# Altium PCB uTCA_MCH_PCB3.pcbdoc (part 5 of 25) (continued)
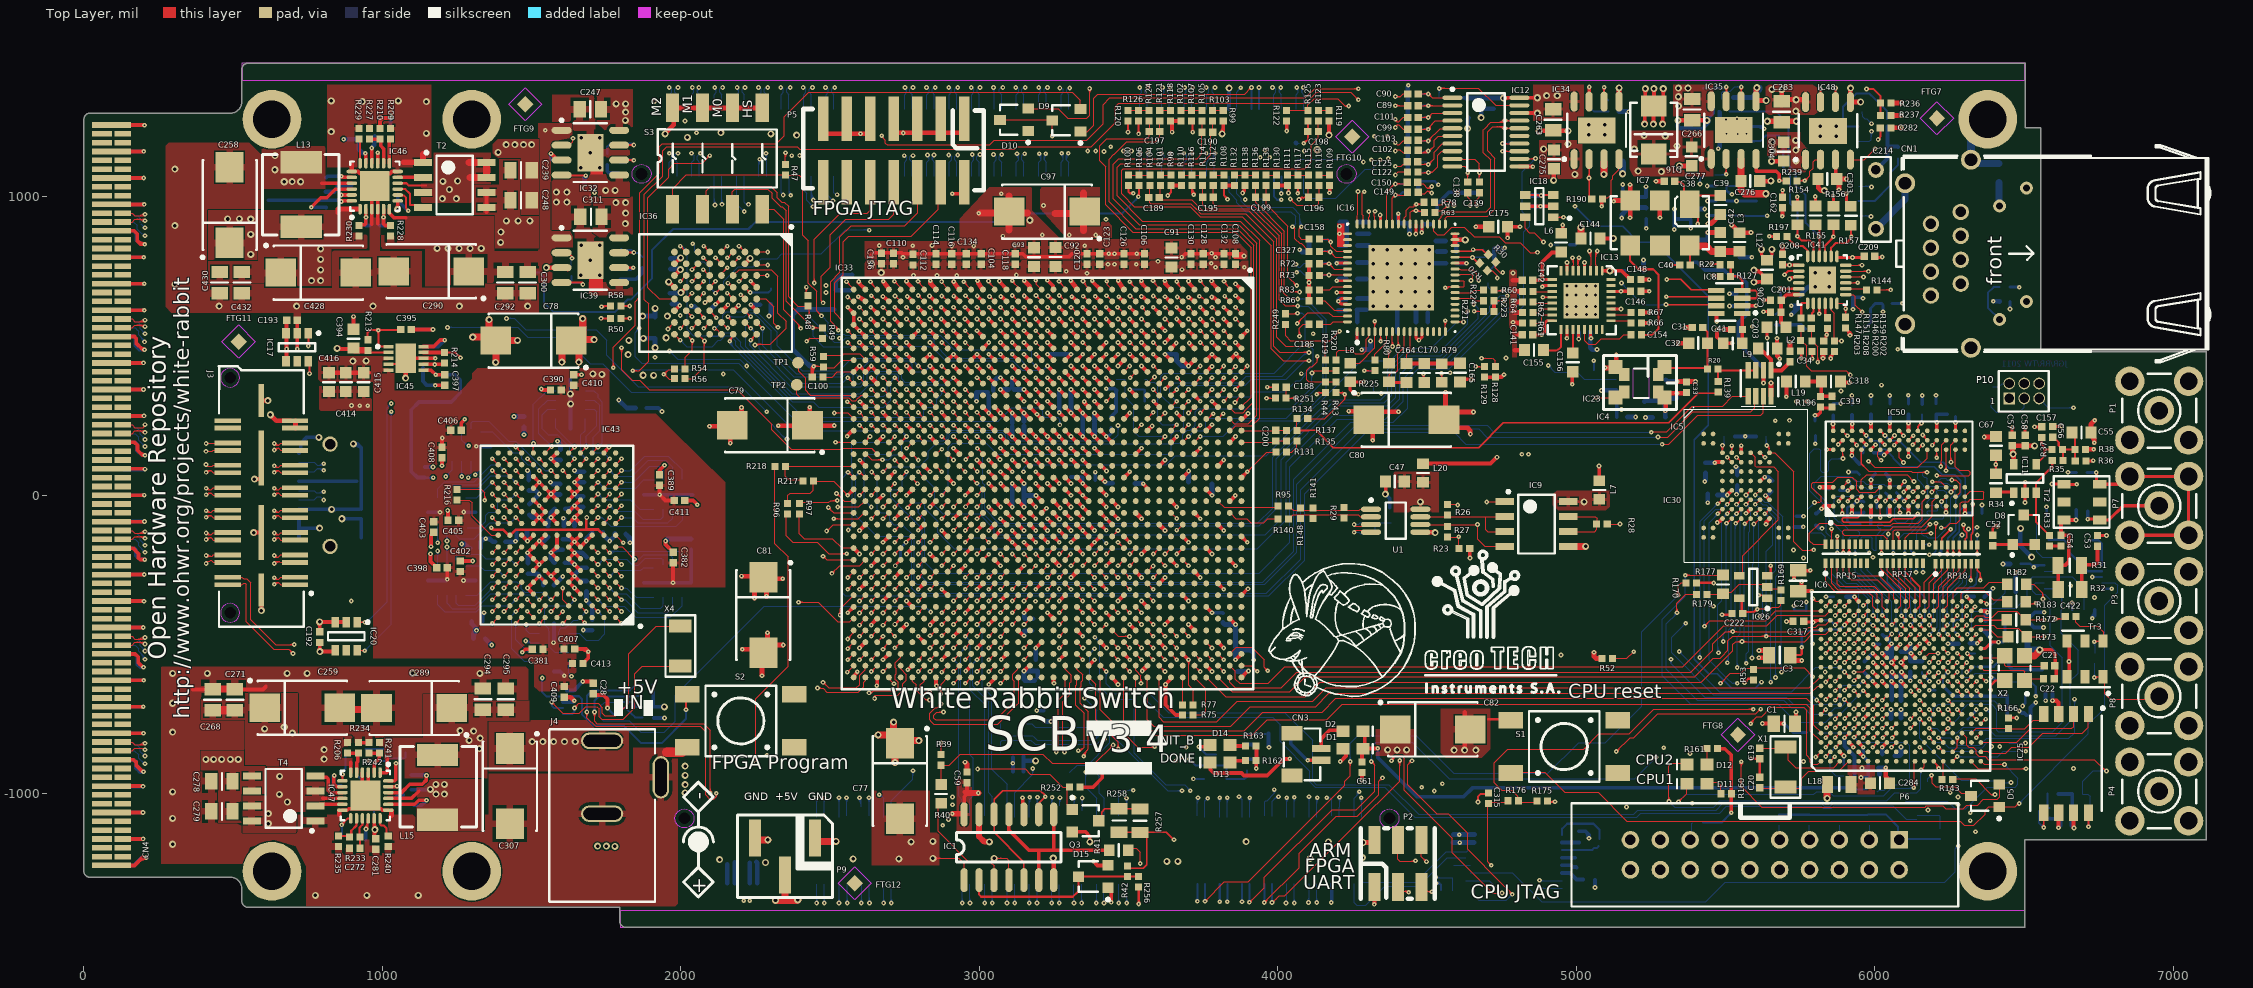
[diagram p0: Top Layer view]
## Nets (pads, with @x,y where several pads share a name; then routed paths per layer and width w, separated by ;. In a path a pad name is that pad's centre, name@x,y a point inside that pad or via, vN(x,y) a via of type N, cw(c..) or ccw(c..) an arc to the next point about the centre after c; other vN are vias at no path point) (continued)
A20: IC33.AF10 IC36.C8 | length 1087.1
  Top Layer w3.94: v1@2161.42,521.65 2175.2,535.43 ccw(c2190.36,520.26) v1@2169.21,516.72 ; v1@2161.44,515.42 cw(c2171.84,517.16) 2164.38,524.62 ; v1@2165.32,516.07 cw(c2181.1,518.71) IC36.C8@2169.79,530.03 ; v1@2874.02,348.43 cw(c2874.02,334.17) 2884.1,344.25 cw(c2894.18,354.33) v1@2879.92,354.33 ; v1(2874.02,354.33) IC33.AF10@2893.7,334.65
  Bottom Layer w3.94: v1@2161.41,515.75 ccw(c2175.66,515.75) 2165.59,505.67 ; v1@2161.95,510.02 cw(c2161.01,506.26) 2164.88,506.26 cw(c2171.4,506.26) v1@2167.19,511.24 ; v1@2164.88,516.26 2164.88,506.38 2224.57,446.69 ; v1@2165.35,515.75 ccw(c2189.1,515.75) 2172.31,498.95 ; v1@2169.29,515.75 ccw(c2202.54,515.75) 2179.03,492.23 ; 2226.22,446.69 2234.29,438.62 ; 2234.29,436.97 2409.45,261.81 2807.09,261.81 2812.99,267.72 2812.99,283.86 2824.41,295.28 2843.7,295.28 2857.1,308.68 2857.1,321.67 2874.01,338.58 v1(2874.02,354.33) ; v1@2869.84,350.15 cw(c2859.76,340.08) 2874.01,340.08 ; 2874.01,340.07 cw(c2888.28,340.07) v1@2878.19,350.15
  other v1: 2163.38,515.75
A21: IC33.AF9 IC36.A8 | length 913.5
  Top Layer w3.94: v1@2234.25,525.59 ccw(c2234.25,535.09) 2240.97,528.37 ; v1@2236.22,519.68 cw(c2245.73,519.68) 2239,526.41 ; v1@2236.22,523.62 IC36.A8@2253.94,541.34 ; v1@2240.16,519.68 cw(c2259.17,519.68) IC36.A8@2245.73,533.13
  Top Layer w12.6: v1(2874.02,393.7) IC33.AF9@2893.7,374.02
  Bottom Layer w3.94: 2230.39,501.44 cw(c2246.42,501.44) v1@2237.53,514.77 ; 2230.39,508.8 cw(c2241.51,508.8) v1@2235.34,518.05 ; v1@2232.28,519.68 2230.39,517.8 2230.39,501.85 2368.07,364.17 2602.36,364.17 2623.62,385.43 2623.62,403.15 2635.83,415.35 2731.89,415.35 2739.76,407.48 2739.76,389.76 2750.79,378.74 2858.66,378.74 v1@2873.23,393.31 ; 2863.26,383.34 cw(c2874.02,372.59) v1@2874.02,387.8 ; 2864.21,384.29 ccw(c2854.8,393.7) v1@2868.11,393.7
  other v1: 2234.25,519.68
A22: IC33.AL9 IC36.G1 | length 1346.8
  Top Layer w3.94: v1@1998.03,828.74 cw(c1998.03,814.49) 2008.11,824.57 cw(c2018.2,834.65) v1@2003.94,834.65 ; v1(1998.03,834.65) IC36.G1@2017.72,814.96 ; v1@2677.17,387.8 cw(c2677.17,373.54) 2687.25,383.62 cw(c2697.33,393.7) v1@2683.07,393.7 ; v1(2677.17,393.7) IC33.AL9@2696.85,374.02
  Bottom Layer w3.94: v1@1998.03,828.74 cw(c1998.03,797.47) 2020.14,819.58 ; v1@1998.03,832.68 cw(c1998.03,810.91) 2013.42,826.3 ; v1(1998.03,834.65) 2005.08,834.65 2020.59,819.13 2020.59,555.35 2042.2,533.74 2124.13,533.74 2133.39,542.99 ; v1@1998.03,836.61 cw(c1998.03,824.35) 2006.7,833.02 ; 2098.43,533.46 2124.02,533.46 2135.02,544.47 2168.6,544.47 2200.79,512.28 2200.79,499.16 2368.25,331.69 2680.12,331.69 2690.94,342.52 2690.94,379.92 v1(2677.17,393.7) ; v1@2677.17,387.8 cw(c2677.17,373.54) 2687.25,383.62 cw(c2697.33,393.7) v1@2683.07,393.7
A23: IC33.AK9 IC36.H8 | length 1072.4
  Top Layer w3.94: IC36.H8@1978.35,539.37 v1(1998.03,519.68) ; v1@1992.13,519.68 ccw(c1977.87,519.68) 1987.95,529.77 ccw(c1998.03,539.85) v1@1998.03,525.59 ; v1@2716.54,387.8 cw(c2716.54,373.54) 2726.62,383.62 cw(c2736.7,393.7) v1@2722.44,393.7 ; v1(2716.54,393.7) IC33.AK9@2736.22,374.02
  Bottom Layer w3.94: v1@1998.03,513.78 cw(c1998.03,499.52) 2008.11,509.6 cw(c2018.19,519.68) v1@2003.94,519.68 ; v1(1998.03,519.68) 2019.68,498.03 2104.33,498.03 2125.46,519.16 2133.86,519.16 2149.32,534.63 2164.52,534.63 2183.07,516.07 2183.07,502.96 2372.96,313.07 2442.92,313.07 2461.21,294.78 2679.95,294.78 2702.76,317.59 2702.76,379.92 v1(2716.54,393.7) ; v1@2710.63,393.7 cw(c2696.37,393.7) 2706.45,383.62 cw(c2716.54,373.54) v1@2716.54,387.8
A24: IC33.AE9 IC36.B6 | length 1067
  Top Layer w3.94: IC36.B6@2214.57,618.11 v1(2234.25,598.43) ; v1@2228.35,598.43 ccw(c2214.09,598.43) 2224.17,608.51 ccw(c2234.25,618.59) v1@2234.25,604.33
  Top Layer w12.6: v1(2913.39,393.7) IC33.AE9@2933.07,374.02
  Bottom Layer w3.94: v1@2228.35,598.43 cw(c2214.09,598.43) 2224.17,588.34 cw(c2234.25,578.26) v1@2234.25,592.52 ; v1(2234.25,598.43) 2216.54,580.71 2216.54,497.33 2373.32,340.55 2601.05,340.55 2630.57,370.08 2645.67,370.08 2655.51,379.92 2655.51,398.82 2664.17,407.48 2722.24,407.48 2730.31,399.41 2730.31,382.28 2742.91,369.68 2889.37,369.68 v1@2912.99,393.31 ; v1@2907.48,393.7 cw(c2893.22,393.7) 2903.3,383.62 cw(c2913.39,373.54) v1@2913.39,387.8
AGND: C88.2 IC33.T17 IC33.U17 IC33.U18 IC33.V17 IC33.V18 L4.2 | length 133.7
  Top Layer w12.6: v1(3188.94,78.78) IC33.V17@3208.66,59.06 ; v1(3188.98,39.37) IC33.V18@3208.66,19.69 ; v1(3228.35,39.37) IC33.U18@3244.09,23.62 ; IC33.U17@3248.03,59.06 v1(3267.72,39.37) ; IC33.T17@3287.4,59.06 v1(3307.09,39.37)
ARM_BOOT_SEL_GPIO: IC6.A6 P10.3 R4.1 | length 1963.5
  Top Layer w3.94: IC6.A6@5819.61,-733.72 v1(5835.56,-717.76) v1@5835.56,-717.05 ; v1@5829.65,-717.76 cw(c5815.4,-717.76) 5825.48,-727.84 cw(c5835.56,-737.93) v1@5835.56,-723.67
  MidLayer1 w3.94: v1@5835.56,-723.67 cw(c5835.56,-737.93) 5845.64,-727.84 cw(c5855.72,-717.76) v1@5841.47,-717.76 ; v1(5835.56,-717.76) 5850.33,-732.53 6029.4,-732.53 6040.38,-721.55 6040.38,-689.44 6103.61,-626.21 6103.61,-615.23 6111.68,-607.16 6283.14,-607.16 6292,-616.02 6292,-632.72 6297.62,-638.34 6408.71,-638.34 6505.02,-542.03 6505.02,-159.72 6523.04,-141.7 6523.04,137.19 6484.06,176.17 6484.06,262.05 6500.87,278.86 6500.87,313.6 P10.3@6492.52,321.95
  Bottom Layer w3.94: R4.1@6389.59,328.37 6389.59,295.02 6406.87,277.74 6482.85,277.74 6500.54,295.43 P10.3@6500.54,318.75
ARM_DEBUG_RXD: IC6.P6 J1.96 P2.5 | length 6633.7
  Top Layer w3.94: P2.5@4480.77,-1327.2 4512.18,-1327.2 v1@4512.75,-1327.77 ; P2.5@4499.46,-1327.2 cw(c4499.46,-1345.65) v1@4512.5,-1332.61 ; 4505.38,-1327.2 ccw(c4505.38,-1317.13) v1@4512.5,-1324.25 ; v1@6213.29,-723.87 cw(c6213.29,-738.16) 6223.39,-728.06 ; v1(6213.29,-717.97) IC6.P6@6229.06,-733.72 ; v1@6219.2,-717.97 ccw(c6233.43,-717.97) 6223.37,-728.03
  MidLayer1 w3.94: v1@4549.21,-964.57 v1(4551.18,-966.54) 4562.2,-977.56 6020.44,-977.56 6130.43,-867.57 6156.22,-867.57 6199.53,-824.27 6199.53,-731.73 v1(6213.29,-717.97) ; v1@4551.18,-972.44 cw(c4551.18,-986.7) 4561.26,-976.62 cw(c4571.34,-966.54) v1@4557.09,-966.54 ; v1@6207.39,-717.97 cw(c6193.13,-717.97) 6203.21,-728.05 cw(c6213.29,-738.13) v1@6213.29,-723.87
  MidLayer2 w3.94: v1(5727.36,-183.27) 5727.36,302.26 v1@5735.92,310.82
  MidLayer3 w3.94: v1@4342.76,1118.46 cw(c4342.76,1101.55) 4354.72,1113.51 ; v1@4343.86,1124.37 4357.16,1111.07 4378.85,1111.07 4393.28,1125.5 4504.78,1125.5 4577.47,1198.19 4919.39,1198.19 4992.21,1125.37 5495.02,1125.37 5541.19,1079.2 5773.39,1079.2 5780.29,1072.3 5780.29,1038.08 5762.99,1020.78 5762.99,775.12 5737.57,749.7 5737.57,314.45 v1(5737.74,314.28) ; v1@4348.67,1124.37 ccw(c4360.27,1124.37) 4352.06,1116.17 ; 4508.74,-1323.52 ccw(c4521.59,-1323.52) v1@4512.5,-1332.61 ; 4508.74,-1314.01 ccw(c4531.1,-1314.01) v1@4515.29,-1329.82 ; 4508.74,-1304.51 ccw(c4540.6,-1304.51) v1@4518.07,-1327.04 ; 4508.74,-1295 ccw(c4550.11,-1295) v1@4520.86,-1324.25 ; v1@4511.52,-1327.6 4508.74,-1324.82 4508.74,-1254.81 4551.18,-1212.37 v1(4551.18,-966.54) ; v1@4547.01,-970.71 cw(c4536.92,-980.79) 4551.18,-980.79 cw(c4565.44,-980.79) v1@4555.36,-970.71 ; v1@5727.2,-184.09 5727.2,-238.32 5796.32,-307.44 5936.19,-307.44 6008.37,-379.62 6176.72,-379.62 6198.4,-401.3 6198.4,-703.07 v1(6213.29,-717.97) ; v1@6207.39,-717.97 ccw(c6193.13,-717.97) 6203.21,-707.89 ccw(c6213.29,-697.8) v1@6213.29,-712.06
  Bottom Layer w3.94: J1.96@4086.54,1068.31 4086.54,1011.56 4102.98,995.12 4194.3,995.12 4292.16,1092.98 4314.32,1092.98 v1@4344.97,1123.63 ; 4330.59,1109.25 ccw(c4315.48,1124.37) v1@4336.85,1124.37 ; 4337.31,1115.97 ccw(c4328.92,1124.37) v1@4340.79,1124.37 ; 4337.71,1116.37 cw(c4342.76,1111.33) v1@4342.76,1118.46
  other v1: 4516.68,-1328.43 4342.76,1124.37
ARM_DEBUG_TXD: IC6.R6 J1.94 P2.3 | length 6758
  Top Layer w3.94: P2.3@4402.03,-1327.2 4432.44,-1327.2 v1@4432.9,-1326.74 ; P2.3@4417.75,-1327.2 cw(c4417.75,-1350.19) v1@4434,-1333.94 ; 4427.26,-1327.2 cw(c4427.26,-1340.68) v1@4436.79,-1331.15 ; 4430.09,-1327.2 ccw(c4430.09,-1321.67) v1@4434,-1325.58 ; v1@6244.8,-723.87 cw(c6244.8,-738.13) 6254.88,-728.05 cw(c6264.97,-717.97) v1@6250.71,-717.97 ; v1(6244.8,-717.97) IC6.R6@6260.55,-733.72
  MidLayer1 w3.94: v1@4524.29,-991.46 6023.54,-991.46 6129,-886 6204.72,-886 6229.06,-861.67 6229.06,-733.72 v1(6244.8,-717.97) ; v1@4527.68,-995.29 cw(c4536.92,-1004.53) 4536.92,-991.46 ; v1@4527.68,-986.93 ccw(c4538.59,-976.02) 4538.59,-991.46 ; v1@6238.9,-717.97 cw(c6224.64,-717.97) 6234.72,-728.05 cw(c6244.8,-738.13) v1@6244.8,-723.87
  MidLayer4 w3.94: v1(5760.71,-210.49) 5760.71,-163.19 5780.77,-143.13 5780.77,-32.56 5771.56,-23.35 5771.56,312.55 v1@5772.02,313.01
  MidLayer3 w3.94: v1(4286.45,1116.24) 4312.59,1142.38 4379.04,1142.38 4384.28,1137.14 4413.23,1137.14 4482.67,1206.58 4517.44,1206.58 4616.86,1306 4979.16,1306 4979.2,1305.96 5094.26,1305.96 5257.2,1143.02 5560.19,1143.02 5606.58,1096.63 5775.65,1096.63 5794.89,1077.39 5794.89,1026.95 5780.67,1012.73 5780.67,760.05 5772.18,751.56 5772.18,315.04 v1(5771.42,314.28) ; v1@4286.45,1122.15 ccw(c4286.45,1136.4) 4296.53,1126.32 ccw(c4306.61,1116.24) v1@4292.36,1116.24 ; 4432.44,-1320.65 ccw(c4447.29,-1320.65) v1@4436.79,-1331.15 ; 4432.44,-1311.14 ccw(c4456.8,-1311.14) v1@4439.57,-1328.37 ; 4432.44,-1301.64 ccw(c4466.3,-1301.64) v1@4442.36,-1325.58 ; v1(4438.18,-1329.76) 4434.99,-1329.76 4432.44,-1327.2 4432.44,-1168.64 4504.87,-1096.21 4504.87,-1009.74 v1(4523.5,-991.11) ; v1@4517.59,-991.11 cw(c4503.34,-991.11) 4513.42,-1001.19 cw(c4523.5,-1011.27) v1@4523.5,-997.02 ; v1(5760.71,-210.49) 5761.47,-211.25 5761.47,-255.34 5797.54,-291.41 5945.53,-291.41 6015.87,-361.75 6185.93,-361.75 6228.14,-403.96 6228.14,-701.31 v1(6244.8,-717.97) ; v1@6238.9,-717.97 ccw(c6224.64,-717.97) 6234.72,-707.89 ccw(c6244.8,-697.81) v1@6244.8,-712.06
  Bottom Layer w3.94: J1.94@4061.34,1068.31 4061.34,1120.75 4065.75,1125.16 4277.53,1125.16 ; v1@4280.57,1116.77 ccw(c4270.09,1117.72) 4277.53,1125.16 ; v1@4285.92,1122.12 cw(c4284.97,1132.6) 4277.53,1125.16 ; v1(4286.45,1116.24) 4277.53,1125.16
ARM_FIQ: IC6.T9 IC33.AC22 R52.2 | length 4102
  Top Layer w3.94: IC33.AC22@3011.81,-137.8 v1(3031.5,-157.48) ; v1@3025.59,-157.48 ccw(c3011.33,-157.48) 3021.41,-147.4 ccw(c3031.5,-137.32) v1@3031.5,-151.57 ; R52.2@5120.94,-546.66 5169.52,-546.66 v6(5192.27,-523.91) ; v1@6276.3,-629.39 cw(c6276.3,-643.64) 6286.38,-633.56 cw(c6296.46,-623.48) v1@6282.2,-623.48 ; v1(6276.3,-623.48) IC6.T9@6292.05,-639.23
  MidLayer1 w3.94: v1(3031.5,-157.48) 3047.24,-141.73 3328.73,-141.73 3370,-183 3370,-200.91 3403,-233.91 3403,-285 3413.28,-295.28 3594.49,-295.28 3603.11,-303.89 3603.11,-394.29 3745.04,-536.22 4675,-536.22 4682.09,-543.31 4808.31,-543.31 4817,-552 4893.22,-552 4909,-536.22 5017.5,-536.22 5025.23,-543.95 5172.23,-543.95 v6(5192.27,-523.91) ; v1@3031.5,-151.57 ccw(c3031.5,-137.32) 3041.58,-147.4 ccw(c3051.66,-157.48) v1@3037.4,-157.48
  MidLayer4 w3.94: v6(5192.27,-523.91) 5207.09,-509.09 5251.22,-509.09 5388.65,-371.66 v1(5459.61,-371.66) 5459.87,-371.66 v1@5460.65,-372.44 ; v1@5455.43,-375.84 ccw(c5445.35,-385.92) 5445.35,-371.66 ccw(c5445.35,-357.4) v1@5455.43,-367.48
  MidLayer2 w3.94: v1@5459.66,-370.04 5505.63,-370.04 5581.89,-446.3 5826.32,-446.3 5852.82,-419.8 6002.09,-419.8 6008.58,-426.29 6008.58,-461.44 6029.5,-482.36 6255.27,-482.36 6292.89,-519.98 6292.89,-606.89 v1(6276.3,-623.48) ; v1@5461,-373.05 cw(c5468.27,-380.32) 5468.27,-370.04 ; v1@5463.79,-375.84 cw(c5477.78,-389.83) 5477.78,-370.04 ; v1@5463.79,-367.48 ccw(c5469.96,-361.31) 5469.96,-370.04 ; v1@6276.3,-617.57 ccw(c6276.3,-603.32) 6286.38,-613.4 ccw(c6296.46,-623.48) v1@6282.2,-623.48
  other v1: 4948.82,-535.43
ARM_FPGA_RESET: IC6.M2 IC33.M10 | length 4297
  Top Layer w3.94: v1(3425.2,314.96) IC33.M10@3444.88,334.65 ; v1@3425.2,320.87 ccw(c3425.2,335.12) 3435.28,325.04 ccw(c3445.36,314.96) v1@3431.1,314.96 ; v1@6149.45,-843.08 IC6.M2@6166.06,-859.7 ; v1@6150.3,-849.86 cw(c6150.3,-864.14) 6160.4,-854.04 ; v1@6156.21,-843.95 ccw(c6170.44,-843.95) 6160.38,-854.01
  MidLayer1 w3.94: v1(4482.28,-978.35) 4511,-949.63 4558.19,-949.63 4572.55,-963.99 6016.01,-963.99 6136.05,-843.95 ; v1@4482.28,-972.44 ccw(c4482.28,-958.18) 4492.36,-968.27 ccw(c4502.45,-978.35) v1@4488.19,-978.35 ; v1@6146.13,-848.13 ccw(c6136.05,-858.2) 6136.05,-843.95 ; v1@6146.13,-839.78 cw(c6136.05,-829.7) 6136.05,-843.95 ; v1(6150.3,-843.95) 6136.05,-843.95
  MidLayer2 w3.94: v1@3421.02,310.78 cw(c3415.69,305.46) 3423.23,305.46 cw(c3434.7,305.46) v1@3426.59,313.57 ; 3423.23,295.95 cw(c3444.21,295.95) v1@3429.37,310.78 ; v1@3423.23,315.94 v1@3423.23,312.99 ; v1(3425.2,314.96) v1@3423.23,312.99 ; v1(4482.28,-978.35) 4474.41,-970.47 3610.99,-970.47 3375.76,-735.24 3337.24,-735.24 3309.06,-707.06 3309.06,-372.8 3282.93,-346.67 3282.93,-302.07 3294,-291 3294,-268 3306,-256 3321,-256 3328,-249 3328,196.49 3423.23,291.72 v1@3423.23,312.99
ARM_IRQ: IC6.R9 IC33.AC24 R53.2 | length 4145.1
  Top Layer w3.94: v1(5483,-630) 5516,-597 5551,-597 5568.47,-579.53 5595.98,-579.53 5596.77,-578.74 5762.74,-578.74 v1(5792,-608) ; v1@5483,-624.09 ccw(c5483,-609.84) 5493.08,-619.92 ccw(c5503.16,-630) v1@5488.91,-630 ; v1@5786.09,-608 ccw(c5771.84,-608) 5781.92,-597.92 ccw(c5792,-587.84) v1@5792,-602.09 ; v1@6244,-628.91 cw(c6244,-643.94) 6254.63,-633.31 ; v1@6244.8,-623.48 IC6.R9@6260.55,-639.23 ; v1@6249.91,-623 ccw(c6263.38,-623) 6253.85,-632.53
  Top Layer w4.92: IC33.AC24@3011.81,-216.54 v1@3030.71,-197.64 ; 3021.19,-207.16 cw(c3031.1,-217.07) v1@3031.1,-203.05 ; 3022.14,-206.21 ccw(c3013.57,-197.64) v1@3025.69,-197.64
  MidLayer1 w3.94: v1(3031.1,-197.64) 3051.57,-177.17 3306.89,-177.17 3366.14,-236.42 3366.14,-325 3379.14,-338 3417,-338 3444.88,-365.88 3444.88,-647.64 3578.7,-781.46 5295.31,-781.46 5415.55,-661.22 5451.78,-661.22 v1(5483,-630) ; v1@3031.1,-191.73 ccw(c3031.1,-177.48) 3041.18,-187.56 ccw(c3051.27,-197.64) v1@3037.01,-197.64 ; v1@5477.09,-630 cw(c5462.84,-630) 5472.92,-640.08 cw(c5483,-650.16) v1@5483,-635.91
  MidLayer4 w3.94: v1(5792,-608) 5880,-608 5912.21,-640.21 6058.82,-640.21 6089.61,-671 6128.55,-671 6135.55,-664 6135.55,-597.45 6153.81,-579.19 6222.17,-579.19 6229.86,-586.89 6229.86,-610.52 v1@6242.82,-623.48 ; v1@5796.18,-612.18 cw(c5806.26,-622.26) 5806.26,-608 cw(c5806.26,-593.74) v1@5796.18,-603.82 ; 6231.09,-611.75 ccw(c6244,-598.84) v1@6244,-617.09 ; 6235.09,-615.75 cw(c6227.84,-623) v1@6238.09,-623
  other v1: 6244,-623
ARM_NRST: D6.1 D6.2 IC33.AD22 R51.2 | length 4318.1
  Top Layer w4.92: v1(2952.76,-157.48) IC33.AD22@2972.44,-137.8 ; v1@2952.76,-152.07 ccw(c2952.76,-138.99) 2962,-148.24 ccw(c2971.23,-157.48) v1@2958.17,-157.48
  MidLayer2 w3.94: v1(3387,-476) 3401,-462 3401,-384 3390,-373 3373,-373 3368,-368 3368,-305 3375,-298 3381.51,-298 3405,-274.51 3405,-181 v1(3425,-161) ; v1@3387,-470.09 ccw(c3387,-455.84) 3397.08,-465.92 ccw(c3407.16,-476) v1@3392.91,-476 ; v1@3419.09,-161 cw(c3404.84,-161) 3414.92,-171.08 cw(c3425,-181.16) v1@3425,-166.91
  Bottom Layer w3.94: v1(2952.76,-157.48) 2967.17,-143.07 3407.07,-143.07 v1(3425,-161) ; v1@2952.76,-151.57 ccw(c2952.76,-137.32) 2962.84,-147.4 ccw(c2972.92,-157.48) v1@2958.66,-157.48 ; v1@3387,-481.91 cw(c3387,-496.16) 3397.08,-486.08 cw(c3407.16,-476) v1@3392.91,-476 ; v1(3387,-476) 3403.54,-492.54 3403.54,-641.73 3427.17,-665.35 3537.02,-665.35 3615.76,-744.09 3635.83,-744.09 3982.28,-744.09 4007.87,-769.69 4007.87,-824.8 4107.28,-924.21 4107.28,-960.36 4125.27,-978.35 4358.15,-978.35 4458.8,-1079 5202.51,-1079 5216.33,-1065.18 5479.88,-1065.18 5502.36,-1042.7 5820.03,-1042.7 5820.91,-1043.58 5826.41,-1049.07 5854.13,-1049.07 5863.16,-1040.05 6059.76,-1040.05 6104.71,-1085 D6.2@6141.16,-1085 ; v1@3419.09,-161 ccw(c3404.84,-161) 3414.92,-150.92 ccw(c3425,-140.84) v1@3425,-155.09 ; D6.2@6142.44,-1072.3 D6.1@6217.24,-1072.3 ; R51.2@6218.73,-1116.73 D6.1@6218.73,-1076.09
ARM_PCK0: IC6.V1 IC33.N33 | length 3712.9
  Top Layer w3.94: IC33.N33@3405.51,-570.87 v1@3425.19,-590.54 ; v1@3419.28,-590.55 ccw(c3405.01,-590.55) 3415.1,-580.46 ccw(c3425.19,-570.4) v1@3425.19,-584.64 ; IC6.V1@6355.04,-891.2 6365.84,-902 v1(6434,-902) ; v1@6429.82,-906.18 ccw(c6419.74,-916.26) 6419.74,-902 ccw(c6419.74,-887.74) v1@6429.82,-897.82
  Bottom Layer w3.94: v1@3421.01,-594.73 cw(c3410.93,-604.81) 3425.19,-604.81 cw(c3439.45,-604.81) v1@3429.37,-594.73 ; v1(3425.19,-590.55) 3425.19,-631.88 3444.88,-651.57 3557.53,-651.57 3634.3,-728.35 4023.62,-728.35 4116.14,-820.87 4116.14,-956.69 4128.94,-969.49 4371.49,-969.49 4471.37,-1069.37 5191.41,-1069.37 5205.57,-1055.21 5468.03,-1055.21 5490.8,-1032.44 5820.91,-1032.44 5829.67,-1041.2 5850.87,-1041.2 5859.89,-1032.18 6096.92,-1032.18 6104.44,-1024.66 6242.96,-1024.66 6268.95,-1050.65 6304.56,-1050.65 ; 6304.98,-1050.55 6377.2,-978.33 6470.01,-978.33 6479.52,-968.82 6479.52,-947.52 v1(6434,-902) ; v1@6434,-907.91 cw(c6434,-922.16) 6444.08,-912.08 cw(c6454.16,-902) v1@6439.91,-902
ARM_PROGRAM_B: D10.2 IC6.L6 | length 4935
  Top Layer w3.94: D10.2@3163.39,1295.27 3264.96,1295.27 3296.85,1263.39 3360.24,1263.39 3370.08,1273.23 v1@3370.08,1361.81 ; v1@3365.12,1358.42 cw(c3353.13,1346.44) 3370.08,1346.44 ; 3370.08,1350.24 cw(c3381.65,1350.24) v1@3373.47,1358.42 ; v1(6118.82,-749.46) IC6.L6@6134.57,-733.72 ; v1@6118.82,-743.56 ccw(c6118.82,-729.3) 6128.9,-739.38 ccw(c6138.98,-749.46) v1@6124.72,-749.46
  MidLayer4 w3.94: v1@3369.29,1356.69 cw(c3369.29,1342.44) 3379.37,1352.52 cw(c3389.45,1362.6) v1@3375.2,1362.6 ; v1(3369.29,1362.6) 3393.89,1338 3829,1338 4037.08,1129.92 4240.08,1129.92 4281.42,1088.58 4459.84,1088.58 4485.55,1062.87 4603.35,1062.87 4675.67,990.55 4973.22,990.55 v1(4995.66,968.11) ; v1@4989.75,968.11 ccw(c4975.5,968.11) 4985.58,978.19 ccw(c4995.66,988.27) v1@4995.66,974.01
  MidLayer2 w3.94: v1@5620.08,-631.89 cw(c5620.08,-646.15) 5630.16,-636.07 cw(c5640.24,-625.98) v1@5625.98,-625.98 ; v1(5620.08,-625.98) 5634.31,-640.21 5891.65,-640.21 5892.64,-639.23 6044.02,-639.23 6118.82,-714.03 v1(6118.82,-749.46) ; v1@6114.64,-745.29 ccw(c6104.56,-735.21) 6118.82,-735.21 ccw(c6133.08,-735.21) v1@6122.99,-745.29
  Bottom Layer w3.94: v1@4996.2,967.33 v1@4997.42,967.33 ; v1@5614.17,-625.98 cw(c5599.92,-625.98) 5610,-636.07 cw(c5620.08,-646.15) v1@5620.08,-631.89
  Bottom Layer w4.92: v1@4996.2,967.33 5061.99,901.54 5154.82,901.54 5208.1,848.26 5260.17,848.26 5441.7,666.73 5441.7,234.06 5394.24,186.6 5394.24,-549.76 5442.91,-598.43 5472.24,-598.43 5520.79,-646.97 5599.09,-646.97 v1(5620.08,-625.98)
ARM_WD_RST: D5.1 IC2.4 S1.1 | length 2751.2
  Top Layer w3.94: 4821.93,-927.91 4893.78,-927.91 4961.62,-995.75 5072.79,-995.75 5169.34,-1092.3 6285.79,-1092.3 6299.81,-1106.32 6331.77,-1106.32 6369.08,-1069.01 6369.08,-1055.75 6381.6,-1043.23 6469.7,-1043.23 ; 6475.6,-1037.33 cw(c6482.76,-1044.5) v1@6483.74,-1034.41 ; 6476.29,-1036.64 ccw(c6472.1,-1032.45) v1@6478.02,-1032.45 ; v1@6483.36,-1038.33 ccw(c6481.72,-1055.25) 6469.7,-1043.23 ; v1@6487.57,-1031.54 6481.39,-1031.54 6469.7,-1043.23
  Bottom Layer w3.94: v1@6483.93,-1026.54 ccw(c6483.93,-1015.21) 6491.95,-1023.22 ; v1@6484.1,-1031.07 6715.54,-799.63 6715.54,-767.83 6769.69,-713.69 6769.69,-368.31 6813,-325 6813,-302 6804.43,-293.43 IC2.4@6759.96,-293.43 ; v1@6489.84,-1032.45 cw(c6507.01,-1032.45) 6494.87,-1020.3
  other v1: 6483.93,-1032.45
AUX_CLK_N: IC33.B10 R63.2 | length 1427.8
  Top Layer w3.94: v1(3818.9,314.96) IC33.B10@3838.58,334.65 ; v1@3818.9,320.87 ccw(c3818.9,335.12) 3828.98,325.04 ccw(c3839.06,314.96) v1@3824.8,314.96 ; R63.2@4525.33,949.49 4528.8,952.96 4549.55,952.96 v1@4566.74,970.15 ; 4554.68,958.09 cw(c4569.28,943.49) v1@4569.28,964.13 ; 4561.07,964.48 ccw(c4555.51,970.04) v1@4563.37,970.04 ; 4561.4,964.81 cw(c4569.28,956.93) v1@4569.28,968.07
  MidLayer4 w3.94: v1@3814.96,316.93 3828.74,316.93 ; v1@3823.07,319.14 ccw(c3828.4,324.47) 3828.4,316.93 ; v1@3824.66,313.66 cw(c3828.74,312.75) 3828.74,316.93 ; 4029.51,732.28 4012.2,732.28 3980,700.09 3980,486.6 3880.93,387.53 3880.93,347.06 3865,331.13 3842.94,331.13 3828.74,316.93 ; 4029.56,732.23 4074.75,732.23 4096.03,753.51 4096.03,812.55 4141.75,858.27 4166.13,858.27 4171.05,863.19 4183.28,863.19 4188.2,858.27 4556.13,858.27 4576.6,878.74 4576.6,959.13 ; v1@4569.28,964.13 cw(c4569.28,958.54) 4573.23,962.5 ; v1@4570.27,965.46 4576.6,959.13 ; v1@4574.78,967.88 ccw(c4582.37,964.9) 4576.6,959.13
  other v1: 4569.28,970.04
AUX_CLK_P: IC33.A10 R78.2 | length 1463.1
  Top Layer w3.94: v1@3856.29,312.98 IC33.A10@3877.95,334.65 ; v1@3856.29,316.93 ccw(c3856.29,326.45) 3863.02,319.72 ; v1@3858.26,311.02 cw(c3867.75,311.02) 3861.04,317.73 ; v1@3862.2,311.02 cw(c3881.19,311.02) 3867.76,324.45 ; R78.2@4525.34,981.52 4534.17,972.69 4548.96,972.69 4560.79,984.52 4577.06,984.52 v1@4590.34,971.24 ; 4579.34,982.24 cw(c4567.49,970.38) v1@4584.25,970.38 ; 4581.85,979.73 ccw(c4590.16,988.03) v1@4590.16,976.29
  MidLayer4 w3.94: v1(3856.29,311.02) 3869,311.02 ; v1@3860.81,307.22 cw(c3869,300.3) 3869,311.02 ; v1@3860.81,314.83 ccw(c3869,321.74) 3869,311.02 ; v1@4585.98,966.2 cw(c4574.29,954.51) 4590.83,954.51 ; 4590.83,957.74 cw(c4602.8,957.74) v1@4594.34,966.2 ; v1@4590.83,971.34 4590.83,872.88 4562.01,844.06 4193.68,844.06 4183.28,833.66 4171.05,833.66 4160.65,844.06 4147.64,844.06 4110.24,806.66 4110.24,747.63 4080.63,718.02 4018.02,718.02 3994.2,694.2 3994.2,475.03 3902.27,383.1 3902.27,344.29 3869,311.02
  other v1: 4590.16,970.38
CLK0_N: IC12.14 IC16.45 R90.1 | length 802.4
  Top Layer w3.94: v1@4322.15,951.27 4322.15,934.85 4324.8,932.2 IC16.45@4324.8,908.46 ; v1(4752.64,1178.44) 4752.93,1178.15 IC12.14@4809.06,1178.15 ; v1@4756.81,1174.27 cw(c4766.18,1164.9) 4766.18,1178.15 ; v1@4756.81,1182.62 ccw(c4767.61,1193.41) 4767.61,1178.15
  MidLayer3 w3.54: v1@4319.8,946.42 4319.8,910.21 4329.44,900.57 4448.7,900.57 4561.17,1013.04 4561.17,1073.39 4655.99,1168.21 4739.05,1168.21 v1@4749.69,1178.85
  Bottom Layer w3.94: v1(4752.64,1178.44) 4767.82,1178.44 4773.11,1183.74 R90.1@4786.93,1183.74 ; v1@4756.81,1174.27 cw(c4766.89,1164.19) 4766.89,1178.44 cw(c4766.89,1192.7) v1@4756.81,1182.62
  other v1: 4325.23,951.57
CLK0_P: IC12.13 IC16.46 R90.2 | length 818.7
  Top Layer w3.94: v1@4303.43,952.44 4307.78,948.09 4307.78,933.94 4305.12,931.28 IC16.46@4305.12,908.46 ; v1(4752.64,1152.26) 4752.93,1152.56 IC12.13@4809.06,1152.56 ; v1@4756.81,1148.09 cw(c4767.61,1137.29) 4767.61,1152.56 ; v1@4756.81,1156.44 ccw(c4766.18,1165.81) 4766.18,1152.56
  MidLayer3 w3.54: v1@4309.96,946.42 4309.96,906.13 4325.36,890.73 4452.78,890.73 4455.66,893.61 4571.01,1008.96 4571.01,1069.31 4660.07,1158.37 4740.37,1158.37 v1@4748.36,1150.38
  Bottom Layer w3.94: v1(4752.64,1152.26) 4769.15,1152.26 4773.11,1148.31 R90.2@4786.93,1148.31 ; v1@4756.81,1148.09 cw(c4766.89,1138.01) 4766.89,1152.26 cw(c4766.89,1166.52) v1@4756.81,1156.44
  other v1: 4304.22,950.87
CLK1_N: IC12.17 IC16.34 R245.1 | length 770.1
  Top Layer w3.94: IC16.34@4541.34,907.48 4541.34,925.2 ; IC16.34@4541.34,908.46 4541.34,925.2 ; 4732.47,1249.31 ccw(c4732.47,1283.73) v1@4756.81,1259.39 ; 4741.97,1249.31 ccw(c4741.97,1274.23) v1@4759.59,1256.61 ; 4751.48,1249.31 ccw(c4751.48,1264.72) v1@4762.38,1253.82 ; v1@4755.66,1252.67 cw(c4752.99,1251.4) 4755.08,1249.31 ; v1@4758.44,1249.89 ccw(c4757.17,1247.22) 4755.08,1249.31 ; v1@4765.16,1251.04 cw(c4774.53,1241.67) 4774.53,1254.92 ; v1@4765.16,1259.39 ccw(c4775.95,1270.19) IC12.17@4775.95,1254.92 ; IC12.17@4809.06,1254.92 4761.28,1254.92 v1(4760.98,1255.22) 4755.08,1249.31 ; 4541.34,925.2 4546.65,930.52 4546.65,934.15 4551.74,939.24 4562.2,949.7 4697.99,949.7 4712.94,964.65 4712.94,1123.34 4688.35,1147.93 4688.35,1223.87 4692.56,1228.08 4713.79,1249.31 4755.08,1249.31
  Bottom Layer w3.94: v1(4760.98,1255.22) R245.1@4792.6,1255.22 ; v1@4765.16,1251.04 cw(c4775.24,1240.96) 4775.24,1255.22 cw(c4775.24,1269.47) v1@4765.16,1259.39
CLK1_P: IC12.16 IC16.33 R245.2 | length 727.9
  Top Layer w3.94: IC16.33@4561.02,908.46 4561.02,928.2 4568.15,935.33 4703.94,935.33 4708.15,939.54 4727.31,958.7 4727.31,1129.29 4702.72,1153.88 4702.72,1217.92 4719.74,1234.94 4755.08,1234.94 ; 4732.47,1234.94 cw(c4732.47,1200.52) v1@4756.81,1224.86 ; 4741.97,1234.94 cw(c4741.97,1210.03) v1@4759.59,1227.64 ; 4751.48,1234.94 cw(c4751.48,1219.53) v1@4762.38,1230.43 ; v1@4755.66,1231.58 ccw(c4752.99,1232.85) 4755.08,1234.94 ; v1@4758.44,1234.36 cw(c4757.17,1237.03) 4755.08,1234.94 ; v1@4765.16,1224.86 cw(c4775.95,1214.07) IC12.16@4775.95,1229.33 ; v1@4765.16,1233.21 ccw(c4774.53,1242.58) 4774.53,1229.33 ; IC12.16@4809.06,1229.33 4761.28,1229.33 v1(4760.98,1229.04) 4755.08,1234.94
  Bottom Layer w3.94: v1(4760.98,1229.04) R245.2@4794.1,1229.04 ; v1@4765.16,1224.86 cw(c4775.24,1214.78) 4775.24,1229.04 cw(c4775.24,1243.29) v1@4765.16,1233.21
CLK1_SEL: IC12.12 IC33.AK17 | length 3736
  Top Layer w3.94: IC33.AK17@2736.22,59.06 v1(2755.91,78.74) ; v1@2750,78.74 cw(c2735.74,78.74) 2745.82,68.66 cw(c2755.91,58.58) v1@2755.91,72.83 ; IC12.12@4809.06,1126.97 4861.97,1126.97 v1(4863,1128) ; 4846.25,1126.97 ccw(c4846.25,1144.75) v1@4858.82,1132.18 ; 4851.23,1126.97 cw(c4851.23,1116.23) v1@4858.82,1123.82
  Bottom Layer w3.94: 2702.76,-5.71 2702.76,12.99 2708.86,19.09 2732.44,19.09 2742.13,28.78 2742.13,51.61 2755.51,65 ; 2702.9,-6 2730.49,-33.59 ; 2730.49,-33.69 2730.49,-35.98 2751.29,-56.78 2753.58,-56.78 2800.64,-103.84 ; v1@2751.73,74.56 cw(c2742.6,65.43) 2755.51,65.43 ; v1@2755.51,78.74 2755.51,65 ; v1@2759.76,74.27 ccw(c2767.75,65) 2755.51,65 ; 2800.98,-103.84 2809.13,-111.98 2809.13,-275.25 2824.87,-291 3948.95,-291 4053,-186.95 4053,53.29 4243.71,244 4387.31,244 4435.15,291.85 4435.15,389.15 4469.78,423.78 4574.78,423.78 4765,614 4803,614 4824,635 4824,882 4843,901 4843,926 4819,950 4819,1084.55 v1@4862.45,1128 ; 4851.98,1117.53 cw(c4863,1106.51) v1@4863,1122.09 ; 4853.31,1118.86 ccw(c4844.17,1128) v1@4857.09,1128
CLK10MHZ_EXT: C67.2 C188.1 R34.2 R251.1 | length 2844.1
  Top Layer w3.94: C188.1@4027.69,361.45 R251.1@4027.69,325.32 v1(4058.07,325.32) v1@4058.38,325.01 ; v1@4053.89,321.14 ccw(c4043.81,311.06) 4043.81,325.32 ccw(c4043.81,339.58) v1@4053.89,329.5
  Top Layer w6.89: v1@6402.22,99.87 cw(c6394.66,92.31) 6405.35,92.31 cw(c6416.05,92.31) v1@6408.49,99.87 ; v1@6402.22,106.13 ccw(c6394.66,113.69) 6405.35,113.69 ccw(c6416.05,113.69) v1@6408.49,106.13 ; R34.2@6405.35,73.7 v1(6405.35,103) 6405.35,131.77 C67.2@6405.94,132.36
  MidLayer4 w3.94: v1@4058.07,327.29 ccw(c4058.07,336.34) 4064.47,329.94 ; v1@4058.07,331.23 ccw(c4058.07,349.78) 4071.19,336.66 ; v1@4059.26,324.73 4097.5,362.97 4496.67,362.97 4519.61,385.91 4519.61,415.18 4541.73,437.3 4627.58,437.3 4652,412.88 4717.88,412.88 v1(4764.5,459.5) ; v1@4063.98,325.32 cw(c4073.94,325.32) 4066.89,332.36
  MidLayer2 w3.94: v1@4764.5,453.59 cw(c4764.5,443.06) 4771.95,450.51 ; v1(4764.5,459.5) 4764.5,457.96 4788.5,433.96 4878.11,433.96 4903.07,409 5033.36,409 5033.42,409.06 5746.44,409.06 5872.82,282.68 6198.9,282.68 6378.58,103 v1(6405.35,103) ; v1@4770.41,459.5 ccw(c4788.38,459.5) 4775.67,446.79 ; v1@6401.18,98.82 ccw(c6391.1,88.74) 6391.1,103 ccw(c6391.1,117.26) v1@6401.18,107.18